# Altium PCB rt10.PcbDoc (part 1 of 3) (continued)
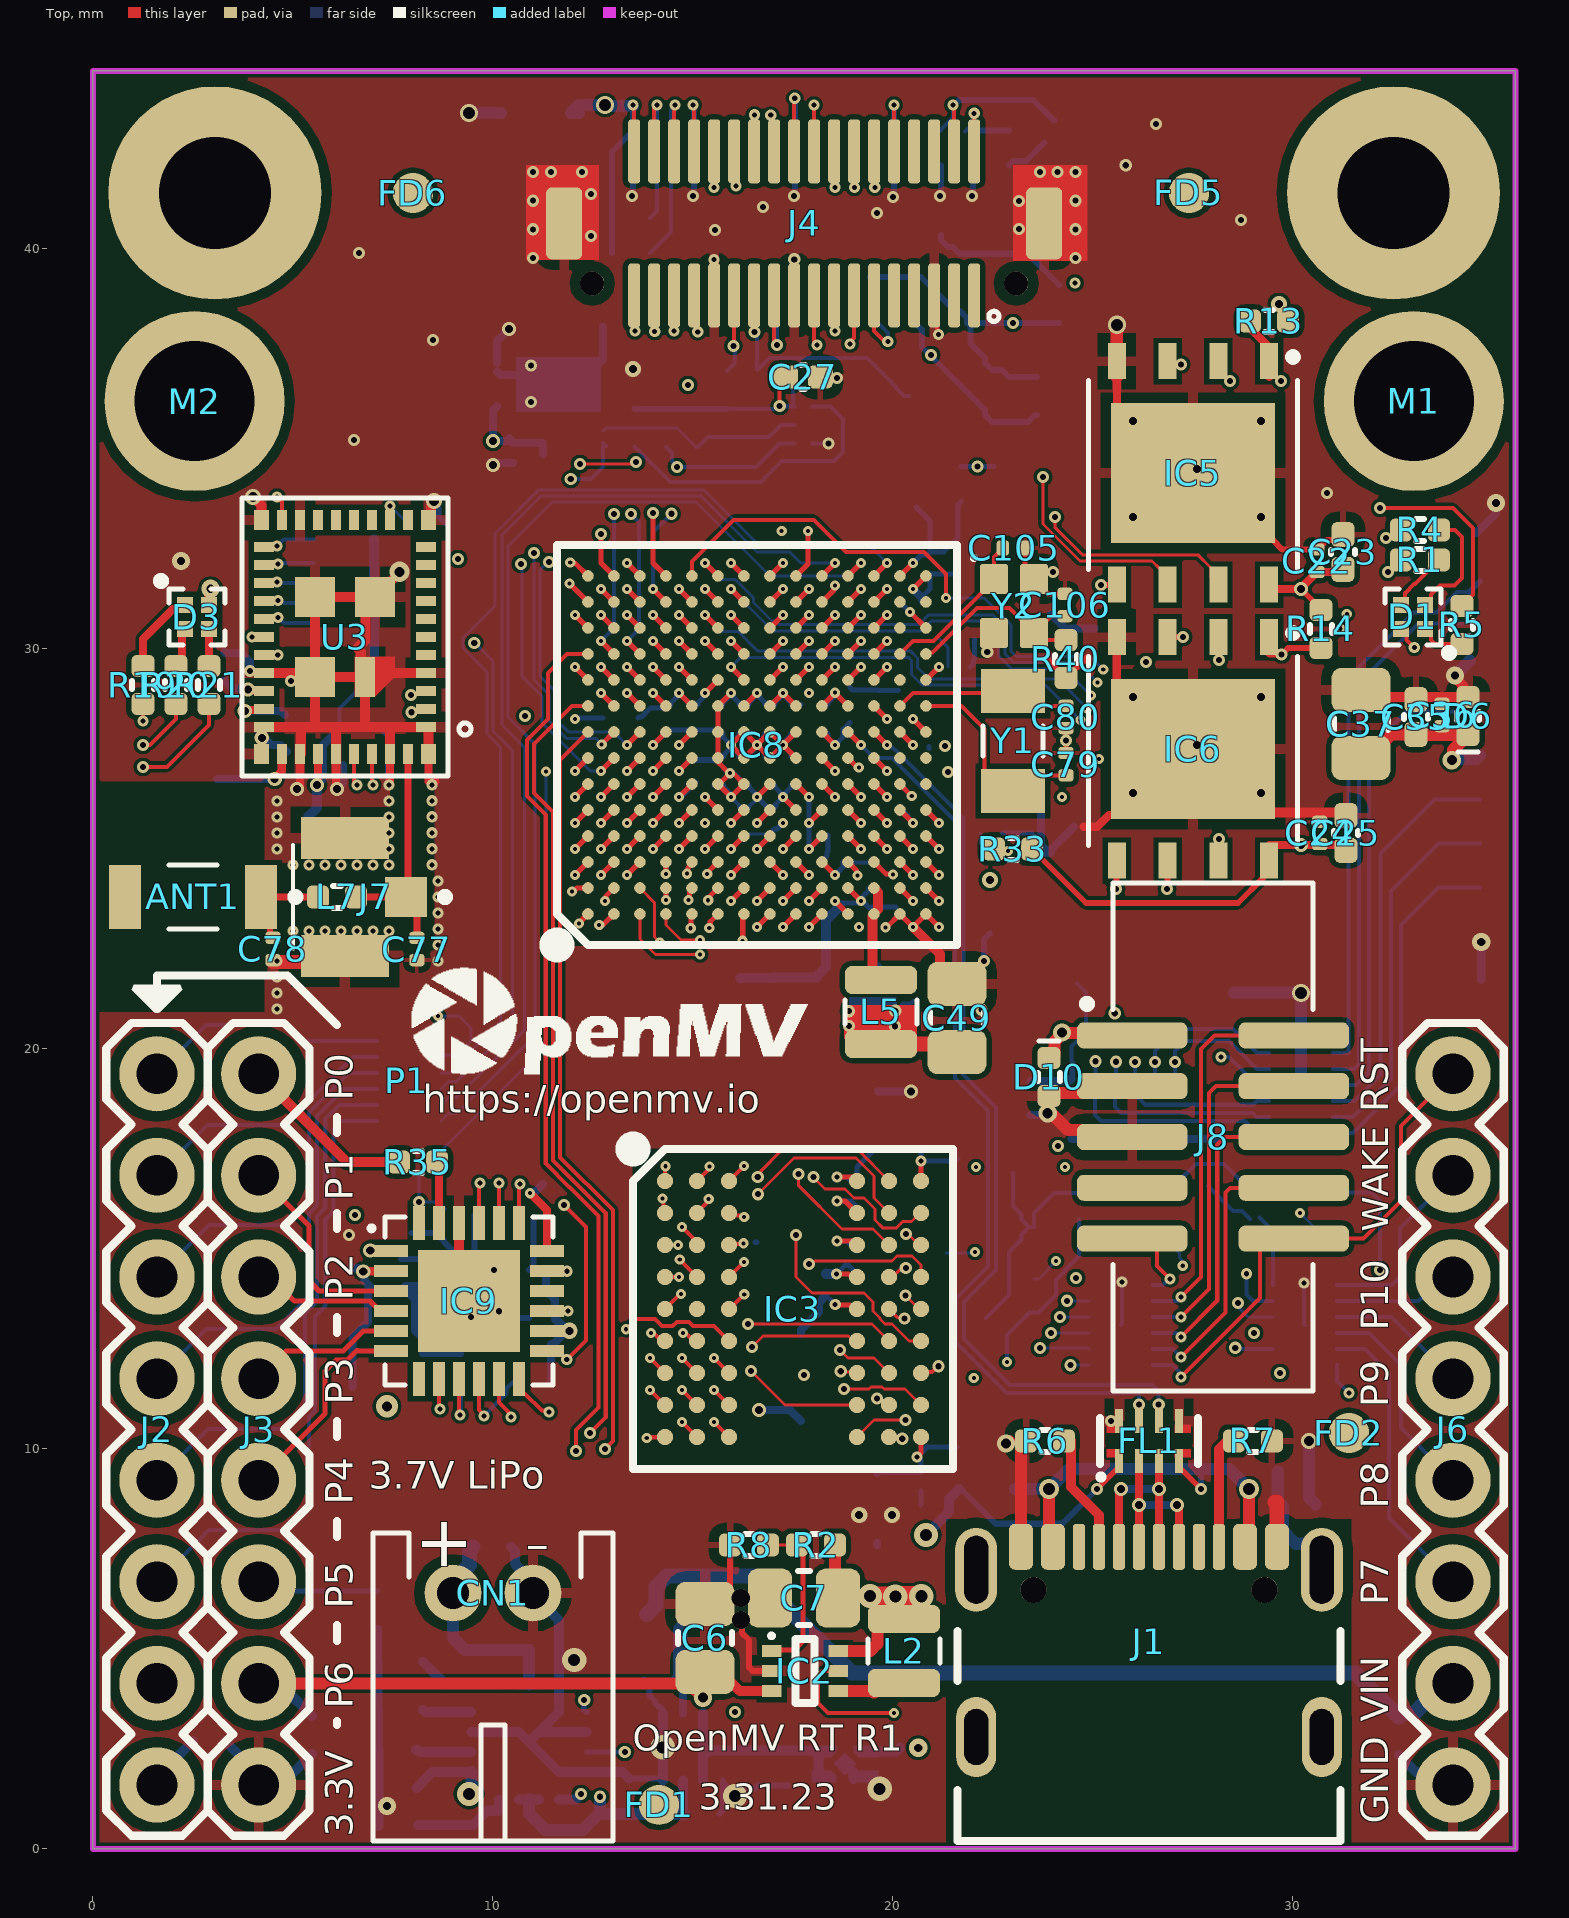
[diagram p0: Top view]
## Footprints (in the part's own frame and the unit in brackets; to place one, negate y for a bottom-side part, rotate by r counter-clockwise, add the part's x,y. Pads: shape width x height; smd on the part's side, far side on the other; paste and mask are expansions set on the pad) (continued)

## Part data
ANT1: "ABRACON - AMCA31-2R450G-S1F-T3 - ANTENNA, CHIP, 2.45GHZ, 50 OHM, 1206   Source:  Datasheet", MANUFACTURER_NAME=ABRACON, DeviceSetName=AMCA31-2R450G-S1F-T3, GateName_1=G$1, HEIGHT=1.4mm, LibraryName=AMCA31-2R450G-S1F-T3, MANUFACTURER_PART_NUMBER=AMCA31-2R450G-S1F-T3, MOUSER_PART_NUMBER=815-CA312R450GS1FT3, MOUSER_PRICE-STOCK=https://www.mouser.co.uk/ProductDetail/ABRACON/AMCA31-2R450G-S1F-T3?qs=AAveGqk956GLuOddQEK40Q%3D%3D, MPN=AMCA31-2R450G-S1F-T3, Part Number=AMCA31-2R450G-S1F-T3, SymbolName_1=AMCA31-2R450G-S1F-T3
C1 C2 C3 C4 C5 C8 C9 C10 C12 C17 C21 C23 C25 C27 C30 C33 C35 C39 C40 C41 C42 C44 C46 C52 C57 C60 C64 C65 C67 C72 C81 C83 C90 C91 C92 C93 C95 C101 C104 C108: library part CAP0402-CAP, "CapacitorStandard 0603 ceramic capacitor, and 0.1\" leaded capacitor.", MPN=JMK105BBJ475MV-F, DeviceName=0402-CAP, DeviceSetName=CAP, GateName_1=G$1, LibraryName=sfe, Part Number=JMK105BBJ475MV-F, SymbolName_1=CAP
C6 C7 C14 C18 C29 C32 C37 C49 C51 C58 C61 C73 C85 C96: library part 22UF-0805-6.3V-20%, "22ÂµF ceramic capacitors    A capacitor is a passive two-terminal electrical component used to store electrical energy temporarily in an electric field.", MPN=CL21A226MQQNNNE, DeviceName=-0805-6.3V-20%, DeviceSetName=22UF, GateName_1=G$1, LibraryName=SparkFun-Capacitors, Part Number=CL21A226MQQNNNE, PROD_ID=CAP-08402, SymbolName_1=CAP
C11 C13 C15 C16 C19 C20 C22 C24 C26 C28 C31 C34 C36 C38 C43 C45 C47 C48 C50 C53 C54 C55 C56 C59 C62 C63 C66 C68 C69 C70 C71 C74 C75 C76 C82 C84 C86 C87 C88 C89 C94 C97 C98 C99 C100 C102 C103 C107 C109: library part C-EUC0201, "CAPACITOR, European symbol", MPN=GRM033R60J224ME15D, DeviceName=C0201, DeviceSetName=C-EU, GateName_1=G$1, LibraryName=rcl, Part Number=GRM033R60J224ME15D, POPULARITY=0, SPICEPREFIX=C, SymbolName_1=C-EU
C77: "Chip Capacitor value 1R5   Source:  Datasheet", MANUFACTURER_NAME="Murata Electronics", DeviceSetName=GRM0335C1H1R5BA01D, GateName_1=G$1, HEIGHT=0.33mm, LibraryName=GRM0335C1H1R5BA01D, MANUFACTURER_PART_NUMBER=GRM0335C1H1R5BA01D, MOUSER_PART_NUMBER=81-GRM0335C1H1R5BA1D, MOUSER_PRICE-STOCK=https://www.mouser.co.uk/ProductDetail/Murata-Electronics/GRM0335C1H1R5BA01D?qs=7vGxPDjevFPFqveGwv%252BPUQ%3D%3D, MPN=GRM0335C1H1R5BA01D, Part Number=GRM0335C1H1R5BA01D, SymbolName_1=GRM0335C1H1R5BA01D
C78: library part GRM0335C1H1R5BA01D, "Chip Capacitor value 1R5   Source:  Datasheet", MANUFACTURER_NAME="Murata Electronics", DeviceSetName=GRM0335C1H1R5BA01D, GateName_1=G$1, HEIGHT=0.33mm, LibraryName=GRM0335C1H1R5BA01D, MANUFACTURER_PART_NUMBER=GRM0335C1H1R5BA01D, MOUSER_PART_NUMBER=81-GRM0335C1H1R5BA1D, MOUSER_PRICE-STOCK=https://www.mouser.co.uk/ProductDetail/Murata-Electronics/GRM0335C1H1R5BA01D?qs=7vGxPDjevFPFqveGwv%252BPUQ%3D%3D, MPN=DNP, Part Number=DNP, POPULATE=0, SymbolName_1=GRM0335C1H1R5BA01D
C79 C80: library part C-EUC0201, "CAPACITOR, European symbol", MPN=GRM0335C1E180JA01D, DeviceName=C0201, DeviceSetName=C-EU, GateName_1=G$1, LibraryName=rcl, Part Number=GRM0335C1E180JA01D, POPULARITY=0, SPICEPREFIX=C, SymbolName_1=C-EU
C105 C106: library part C-EUC0201, "CAPACITOR, European symbol", MPN=GRM0335C1E4R7CA01D, DeviceName=C0201, DeviceSetName=C-EU, GateName_1=G$1, LibraryName=rcl, Part Number=GRM0335C1E4R7CA01D, POPULARITY=0, SPICEPREFIX=C, SymbolName_1=C-EU
C110: library part CAP0402-CAP, "Capacitor", MPN=VJ0402Y102JXACW1BC, DeviceName=0402-CAP, DeviceSetName=CAP, GateName_1=G$1, LibraryName=sfe, Part Number=VJ0402Y102JXACW1BC, SymbolName_1=CAP
CN1: library part JST_2PIN-THM-RA, "JST 2-Pin Connectors of various flavors SMT-RA (S2B-PH-SM4) 4UConnector #17311  SMT  (B2B-PH-SM4)  THM-RA (S2B-PH)  THM  (B2B-PH)", DeviceName=-THM-RA, DeviceSetName=JST_2PIN, GateName_1=G$1, LibraryName=adafruit-updated, MPN=S2B-PH-K-S(LF)(SN), Part Number=S2B-PH-K-S(LF)(SN), SymbolName_1=PINHD2
D1 D3: "LED RGB SMD, SIZE 1 X 1 mm Check availability", MPN=UHD1110-FKA-CL1A13r3q1BBQFMF3, PACKAGE="0404 Cree Inc.", AVAILABILITY="In Stock", DeviceSetName=UHD1110-FKA-CL1A13R3Q1BBQFMF3, GateName_1=G$1, LibraryName=UHD1110-FKA-CL1A13R3Q1BBQFMF3, MF="Cree Inc.", MP=UHD1110-FKA-CL1A13R3Q1BBQFMF3, Part Number=UHD1110-FKA-CL1A13r3q1BBQFMF3, PRICE=None, PURCHASE-URL=https://pricing.snapeda.com/search/part/UHD1110-FKA-CL1A13R3Q1BBQFMF3/?ref=eda, SymbolName_1=UHD1110-FKA-CL1A13R3Q1BBQFMF3
D2 D4 D5 D6 D7 D8 D9 D10: "ESD Suppressors / TVS Diodes DIODE ESD 5VWM 65W 0402/SOD-923F   Source:  Datasheet", MANUFACTURER_NAME="Comchip Technology", DeviceSetName=CPDQT5V0HE-HF, GateName_1=G$1, HEIGHT=0.42mm, LibraryName=CPDQT5V0HE-HF, MANUFACTURER_PART_NUMBER=CPDQT5V0HE-HF, MOUSER_PART_NUMBER=MOUSER_PART_NUMBER, MOUSER_PRICE-STOCK=MOUSER_PRICE-STOCK, MPN=CPDQT5V0HE-HF, Part Number=CPDQT5V0HE-HF, SymbolName_1=CPDQT5V0HE-HF
FD1 FD2 FD3 FD4 FD5 FD6 FD7 FD8: "Fiducial Alignment Points    Point-of-reference for pick-and-place machines and other optical instruments.", DeviceName=1X2, DeviceSetName=FIDUCIAL, GateName_1=G$1, LibraryName=SparkFun-Aesthetics, SymbolName_1=FIDUCIAL
FL1: "Common Mode Filter & ESD Prot. USB uQFN8 STMicroelectronics ECMF02 Series, Signal Filter uQFN SMD, Flat Contact Termination, 2.6 x 1.3 x 0.6mm   Source:  Datasheet", MANUFACTURER_NAME=STMicroelectronics, DeviceSetName=ECMF02-4CMX8, GateName_1=G$1, HEIGHT=mm, LibraryName=ECMF02-4CMX8, MANUFACTURER_PART_NUMBER=ECMF02-4CMX8, MOUSER_PART_NUMBER=511-ECMF02-4CMX8, MOUSER_PRICE-STOCK=https://www.mouser.co.uk/ProductDetail/STMicroelectronics/ECMF02-4CMX8?qs=xYt8xtm2zhmK7GoDlDZR3A%3D%3D, MPN=ECMF02-4CMX8, Part Number=ECMF02-4CMX8, SymbolName_1=ECMF02-4CMX8
FL2 FL3 FL4 FL5: "EMI Filter Circuits 6lin lw cpcitnc EMI 45pF -35db @ 900MHz   Source:  Datasheet", MANUFACTURER_NAME=STMicroelectronics, DeviceSetName=EMIF06-1005M12, GateName_1=G$1, HEIGHT=0.65mm, LibraryName=EMIF06-1005M12, MANUFACTURER_PART_NUMBER=EMIF06-1005M12, MOUSER_PART_NUMBER=511-EMIF06-1005M12, MOUSER_PRICE-STOCK=https://www.mouser.co.uk/ProductDetail/STMicroelectronics/EMIF06-1005M12?qs=VJaATVMq%252BXo0u09ZqtQg3A%3D%3D, MPN=EMIF06-1005M12, Part Number=EMIF06-1005M12, SymbolName_1=EMIF06-1005M12
IC1: "1.6-V to 5.5-V, 40-m, 2.5-A, low-IQ, dual ideal diode   Source:  Datasheet", MANUFACTURER_NAME="Texas Instruments", DeviceSetName=LM66200DRLR, GateName_1=G$1, HEIGHT=0.6mm, LibraryName=LM66200DRLR, MANUFACTURER_PART_NUMBER=LM66200DRLR, MOUSER_PART_NUMBER=595-LM66200DRLR, MOUSER_PRICE-STOCK=https://www.mouser.co.uk/ProductDetail/Texas-Instruments/LM66200DRLR?qs=Rp5uXu7WBW90hnpZAkIOdQ%3D%3D, MPN=LM66200DRLR, Part Number=LM66200DRLR, SymbolName_1=LM66200DRLR
IC2: "DCDC Conv LV Buck SOT563 T&R 3K   Source:  Datasheet", MANUFACTURER_NAME="Diodes Inc.", DeviceSetName=AP61300Z6-7, GateName_1=G$1, HEIGHT=0.6mm, LibraryName=AP61300Z6-7, MANUFACTURER_PART_NUMBER=AP61300Z6-7, MOUSER_PART_NUMBER=621-AP61300Z6-7, MOUSER_PRICE-STOCK=https://www.mouser.co.uk/ProductDetail/Diodes-Incorporated/AP61300Z6-7?qs=HBWAp0VN4Ri0dzb0XP2pEA%3D%3D, MPN=AP61300Z6-7, Part Number=AP61300Z6-7, SymbolName_1=AP61300Z6-7
IC3: "DRAM 256M 16Mx16 166Mhz SDR SDRAM, 3.3V   Source:  Datasheet", MANUFACTURER_NAME="Integrated Silicon Solution Inc.", DeviceSetName=IS42S16160G-6BL, GateName_1=G$1, HEIGHT=1.2mm, LibraryName=IS42S16160G-6BL, MANUFACTURER_PART_NUMBER=IS42S16160G-6BL, MOUSER_PART_NUMBER=870-IS42S16160G-6BL, MOUSER_PRICE-STOCK=https://www.mouser.co.uk/ProductDetail/ISSI/IS42S16160G-6BL?qs=9hm%252BDT1Jr7yvZBhvmJyecQ%3D%3D, MPN=IS42S16160G-6BL, Part Number=IS42S16160G-6BL, SymbolName_1=IS42S16160G-6BL
IC4: "CryptoAuthentication 8-Pin UDFN EP T/R   Source:  Datasheet", MANUFACTURER_NAME=Microchip, DeviceSetName=ATECC608B-MAHDA-T, GateName_1=G$1, HEIGHT=0.6mm, LibraryName=ATECC608B-MAHDA-T, MANUFACTURER_PART_NUMBER=ATECC608B-MAHDA-T, MOUSER_PART_NUMBER=579-TECC608B-MAHDA-T, MOUSER_PRICE-STOCK=https://www.mouser.co.uk/ProductDetail/Microchip-Technology/ATECC608B-MAHDA-T?qs=W%2FMpXkg%252BdQ71cGyt0Wo3Jw%3D%3D, MPN=ATECC608B-MAHDA-T, Part Number=ATECC608B-MAHDA-T, SymbolName_1=ATECC608B-MAHDA-T
IC5: "NOR Flash 64M 2.3-3.6V 166Mhz Serial NOR Flash   Source:  Datasheet", MANUFACTURER_NAME="Integrated Silicon Solution Inc.", DeviceSetName=IS25LP064D-JKLE-TR, GateName_1=G$1, HEIGHT=0.8mm, LibraryName=IS25LP128F-JKLE-TR, MANUFACTURER_PART_NUMBER=IS25LP064D-JKLE-TR, MOUSER_PART_NUMBER=870-5LP064D-JKLE-TR, MOUSER_PRICE-STOCK=https://www.mouser.com/ProductDetail/ISSI/IS25LP064D-JKLE-TR?qs=xZ%2FP%252Ba9zWqa2pmLA1ByOew%3D%3D, MPN=IS25LP064D-JKLE-TR, Part Number=IS25LP064D-JKLE-TR, SymbolName_1=IS25LP064D-JKLE-TR
IC6: "NOR Flash 128M 2.3-3.6V 166Mhz Serial NOR Flash   Source:  Datasheet", MANUFACTURER_NAME="Integrated Silicon Solution Inc.", DeviceSetName=IS25LP128F-JKLE-TR, GateName_1=G$1, HEIGHT=0.8mm, LibraryName=IS25LP128F-JKLE-TR, MANUFACTURER_PART_NUMBER=IS25LP128F-JKLE-TR, MOUSER_PART_NUMBER=870-IS25LP128FJKLETR, MOUSER_PRICE-STOCK=https://www.mouser.co.uk/ProductDetail/ISSI/IS25LP128F-JKLE-TR?qs=F5EMLAvA7IC8MN2X519UUw%3D%3D, MPN=IS25LP128F-JKLE-TR, Part Number=IS25LP128F-JKLE-TR, SymbolName_1=IS25LP128F-JKLE-TR
IC7: "Accelerometers Monolithic and Wafer Level Packaged Three-Axis Accelerometer   Source:  Datasheet", MANUFACTURER_NAME=MEMSIC, DeviceSetName=MXC4005XC, GateName_1=G$1, HEIGHT=0.885mm, LibraryName=MXC4005XC, MANUFACTURER_PART_NUMBER=MXC4005XC, MOUSER_PART_NUMBER=438-MXC4005XC, MOUSER_PRICE-STOCK=https://www.mouser.co.uk/ProductDetail/MEMSIC/MXC4005XC?qs=RcG8xmE7yp3iyYgWLmAtUw%3D%3D, MPN=MXC4005XC, Part Number=MXC4005XC, SymbolName_1=MXC4005XC
IC8: "Processors - Application Specialized MIMXRT1052DVL6B/LFBGA196///STANDARD MARKING * TRAY   Source:  Datasheet", MANUFACTURER_NAME=NXP, DeviceSetName=MIMXRT1052DVL6B, GateName_1=G$1, HEIGHT=1.43mm, LibraryName=MIMXRT1052DVL6B, MANUFACTURER_PART_NUMBER=MIMXRT1052DVL6B, MOUSER_PART_NUMBER=771-MIMXRT1052DVL6B, MOUSER_PRICE-STOCK=https://www.mouser.co.uk/ProductDetail/NXP-Semiconductors/MIMXRT1052DVL6B?qs=r5DSvlrkXmLhWvqckzJtSg%3D%3D, MPN=MIMXRT1052DVL6B, Part Number=MIMXRT1052DVL6B, SymbolName_1=MIMXRT1052DVL6B
IC9: "Ethernet ICs 10/100 BASE-TX Physical Layer Transceiver   Source:  Datasheet", MANUFACTURER_NAME=Microchip, DeviceSetName=KSZ8081RNDCA-TR, GateName_1=G$1, HEIGHT=0.9mm, LibraryName=KSZ8081RNDCA-TR, MANUFACTURER_PART_NUMBER=KSZ8081RNDCA-TR, MOUSER_PART_NUMBER=998-KSZ8081RNDCATR, MOUSER_PRICE-STOCK=https://www.mouser.co.uk/ProductDetail/Microchip-Technology-Atmel/KSZ8081RNDCA-TR?qs=U6T8BxXiZAXLXXdn%2FieQKw%3D%3D, MPN=KSZ8081RNDCA-TR, Part Number=KSZ8081RNDCA-TR, SymbolName_1=KSZ8081RNDCA-TR
J1: "USB-C (USB TYPE-C) USB 2.0 Receptacle Connector 24 (16+8 Dummy) Position Surface Mount, Right Angle; Through Hole  Check availability", PACKAGE=None, AVAILABILITY="In Stock", DeviceSetName=USB4105-GF-A, GateName_1=G$1, LibraryName=USB4105-GF-A, MF=GCT, MP=USB4105-GF-A, MPN=USB4105-GF-A, Part Number=USB4105-GF-A, PRICE=None, PURCHASE-URL=https://pricing.snapeda.com/search/part/USB4105-GF-A/?ref=eda, SymbolName_1=USB4105-GF-A
J2 J3 J6: library part "CONN_08\"", "Multi connection point. Often used as Generic Header-pin footprint for 0.1 inch spaced/style header connections    On any of the 0.1 inch spaced packages, you can populate with these:  Break Away Headers - Straight (PRT-00116)   Break Away Male Headers - Right Angle (PRT-00553)   Female Headers (PRT-00115)   Break Away Headers - Machine Pin (PRT-00117)   Break Away Female Headers - Swiss Machine Pin (PRT-00743)   Arduino Stackable Header - 8 Pin (PRT-09279)        For SCREWTERMINALS and SPRING TERMINALS visit here:  Screw Terimnals on SparkFun.com (5mm/3.5mm/2.54mm spacing)       This device is also useful as a general connection point to wire up your design to another part of your project. Our various solder wires solder well into these plated through hole pads.  Hook-Up Wire - Assortment (Stranded, 22 AWG) (PRT-11375)   Hook-Up Wire - Assortment (Solid Core, 22 AWG) (PRT-11367)   View the entire wire category on our website here          Special notes:     Molex polarized connector foot print use with SKU : PRT-08231 with associated crimp pins and housings. 1MM SMD Version SKU: PRT-10208    NOTES ON THE VARIANTS LOCK and LOCK_LONGPADS... This footprint was designed to help hold the alignment of a through-hole component (i.e.  6-pin header) while soldering it into place. You may notice that each hole has been shifted either up or down by 0.005 of an inch from it's more standard position (which is a perfectly straight line).  This slight alteration caused the pins (the squares in the middle) to touch the edges of the holes.  Because they are alternating, it causes a \"brace\" to hold the component in place.  0.005 has proven to be the perfect amount of \"off-center\" position when using our standard breakaway headers. Although looks a little odd when you look at the bare footprint, once you have a header in there, the alteration is very hard to notice.  Also,if you push a header all the way into place, it is covered up entirely on the bottom side.", DeviceName="\"", DeviceSetName=CONN_08, GateName_1=G$1, LibraryName=SparkFun-Connectors, MPN=DNP, Part Number=DNP, POPULATE=0, PROD_ID=CONN-08438, SymbolName_1=CONN_08
J4: "Header", MPN=DF12NB-36DS-0.5V(51), DeviceSetName=DF12-36-DS, GateName_1=G$1, LibraryName=DF12-36-DS, Part Number=DF12NB-36DS-0.5V(51), SymbolName_1=DF12-36
J5: "uSD Slot", MPN=104031-0811, DeviceSetName=USD-1040310811, GateName_1=G$1, LibraryName=1040310811, Part Number=104031-0811, SymbolName_1=USD
J7: library part 2337019-1, "RF Connectors / Coaxial Connectors MicroCoax receptacle UMCC Gen 1   Source:  Datasheet", MANUFACTURER_NAME="TE Connectivity", DeviceSetName=2337019-1, GateName_1=G$1, HEIGHT=1.4mm, LibraryName=2337019-1, MANUFACTURER_PART_NUMBER=2337019-1, MOUSER_PART_NUMBER=571-2337019-1, MOUSER_PRICE-STOCK=https://www.mouser.co.uk/ProductDetail/TE-Connectivity/2337019-1?qs=l4Gc20tDgJIuN7nS9rJkJw%3D%3D, MPN=2337019-1, Part Number=2337019-1, POPULATE=0, SymbolName_1=2337019-1
J8: "Check availability", PACKAGE=None, AVAILABILITY="In Stock", DeviceSetName=3221-10-0300-00, GateName_1=G$1, LibraryName=3221-10-0300-00, MF="CNC Tech", MP=3221-10-0300-00, MPN=3221-10-0300-00, Part Number=3221-10-0300-00, PRICE=None, PURCHASE-URL=https://pricing.snapeda.com/search/part/3221-10-0300-00/?ref=eda, SymbolName_1=3221-10-0300-00
L1: library part INDUCTOR, "InductorsBasic Inductor/Choke - 0603 and 1206. Footprints are not proven and vary greatly between part numbers.", GateName_1=G$1, MPN=MFBM1V1608-101-R, Part Number=MFBM1V1608-101-R
L2: "Ind Power Wirewound 1uH 20% 2MHz Metal 2200mA 0806 Check availability", PACKAGE="2016 Taiyo Yuden", AVAILABILITY="In Stock", DeviceSetName=MAKK2016T1R0M, GateName_1=G$1, LibraryName=MAKK2016T1R0M, MF="Taiyo Yuden", MP=MAKK2016T1R0M, MPN=MAKK2016T1R0M, Part Number=MAKK2016T1R0M, PRICE=None, PURCHASE-URL=https://pricing.snapeda.com/search/part/MAKK2016T1R0M/?ref=eda, SymbolName_1=MAKK2016T1R0M
L4 L6 L8: library part INDUCTOR0402, "InductorsBasic Inductor/Choke - 0603 and 1206. Footprints are not proven and vary greatly between part numbers.", MPN=MFBM1V1005-101-R, DeviceName=0402, DeviceSetName=INDUCTOR, GateName_1=G$1, LibraryName=sfe, Part Number=MFBM1V1005-101-R, SymbolName_1=INDUCTOR
L5: "INDUCTOR, METAL CORE, SHIELDED, SMD HIGH CURRENT, 4.7uH, 20%, TR Check availability", PACKAGE="2016 Taiyo Yuden", AVAILABILITY="In Stock", DeviceSetName=MAKK2016T4R7M, GateName_1=G$1, LibraryName=MAKK2016T4R7M, MF="Taiyo Yuden", MP=MAKK2016T4R7M, MPN=MAKK2016T4R7M, Part Number=MAKK2016T4R7M, PRICE=None, PURCHASE-URL=https://pricing.snapeda.com/search/part/MAKK2016T4R7M/?ref=eda, SymbolName_1=MAKK2016T4R7M
L7: library part INDUCTOR-0402-3.9NH, "Inductors    Resist changes in electrical current. Basically a coil of wire.   SparkFun Products:  SparkFun Load Cell Amplifier - HX711  IOIO-OTG - V2.2", MPN=L-07C3N9SV6T, DeviceName=-0402-3.9NH, DeviceSetName=INDUCTOR, GateName_1=G$1, LibraryName=SparkFun-Coils, Part Number=L-07C3N9SV6T, PROD_ID=NDUC-13457, SymbolName_1=INDUCTOR
L9: "INDUCTOR, METAL CORE Check availability", PACKAGE="2016 Taiyo Yuden", AVAILABILITY="In Stock", DeviceSetName=MAKK2016T2R2M, GateName_1=G$1, LibraryName=MAKK2016T2R2M, MF="Taiyo Yuden", MP=MAKK2016T2R2M, MPN=MAKK2016T2R2M, Part Number=MAKK2016T2R2M, PRICE=None, PURCHASE-URL=https://pricing.snapeda.com/search/part/MAKK2016T2R2M/?ref=eda, SymbolName_1=MAKK2016T2R2M
M1 M2: "M2 3mm Standoff", DeviceSetName=9774030243R, GateName_1=G$1, LibraryName=9774030243R, MPN=9774030243R, Part Number=9774030243R, SymbolName_1=9774030243R
P1 P2: library part OMV
P3: library part ROHS
P4: library part WEEE
Q1 Q2 Q3 Q4 Q5: "MOSFET 60V N-Channel Enhancement Mode MOSFET - ESD Protected   Source:  Datasheet", MANUFACTURER_NAME=PANJIT, DeviceSetName=2N7002KW_R1_00001, GateName_1=G$1, HEIGHT=1.1mm, LibraryName=2N7002KW_R1_00001, MANUFACTURER_PART_NUMBER=2N7002KW_R1_00001, MOUSER_PART_NUMBER=241-2N7002KWR100001, MOUSER_PRICE-STOCK=https://www.mouser.co.uk/ProductDetail/Panjit/2N7002KW_R1_00001?qs=sPbYRqrBIVliWKATqv7jNA%3D%3D, MPN=2N7002KW_R1_00001, Part Number=2N7002KW_R1_00001, SymbolName_1=2N7002KW_R1_00001
Q6: "PMOS", GateName_1=G$1, HEIGHT=1.1mm, MPN=PMXB120EPEZ, Part Number=PMXB120EPEZ
R1 R4 R5 R26 R36 R39: library part RESISTOR0402-RES, "ResistorBasic schematic elements and footprints for 0603, 1206, and PTH resistors.", MPN=CRCW04021K00FKEDC, DeviceName=0402-RES, DeviceSetName=RESISTOR, GateName_1=G$1, LibraryName=sfe, Part Number=CRCW04021K00FKEDC, SymbolName_1=RESISTOR
R2: library part RESISTOR0402-RES, "ResistorBasic schematic elements and footprints for 0603, 1206, and PTH resistors.", MPN=CRCW0402200KFKEDC, DeviceName=0402-RES, DeviceSetName=RESISTOR, GateName_1=G$1, LibraryName=sfe, Part Number=CRCW0402200KFKEDC, SymbolName_1=RESISTOR
R3 R13 R14 R18 R22 R23 R24 R25 R27 R28 R29 R34: library part RESISTOR0402-RES, "ResistorBasic schematic elements and footprints for 0603, 1206, and PTH resistors.", MPN=AC0402FR-07100KL, DeviceName=0402-RES, DeviceSetName=RESISTOR, GateName_1=G$1, LibraryName=sfe, Part Number=AC0402FR-07100KL, SymbolName_1=RESISTOR
R6 R7: library part RESISTOR0402-RES, "ResistorBasic schematic elements and footprints for 0603, 1206, and PTH resistors.", MPN=RC0402JR-075K1L, DeviceName=0402-RES, DeviceSetName=RESISTOR, GateName_1=G$1, LibraryName=sfe, Part Number=RC0402JR-075K1L, SymbolName_1=RESISTOR
R8: library part RESISTOR0402-RES, "ResistorBasic schematic elements and footprints for 0603, 1206, and PTH resistors.", MPN=AC0402FR-0744K2L, DeviceName=0402-RES, DeviceSetName=RESISTOR, GateName_1=G$1, LibraryName=sfe, Part Number=AC0402FR-0744K2L, SymbolName_1=RESISTOR
R9 R33 R37: library part RESISTOR0402-RES, "ResistorBasic schematic elements and footprints for 0603, 1206, and PTH resistors.", MPN=AC0402FR-1310KL, DeviceName=0402-RES, DeviceSetName=RESISTOR, GateName_1=G$1, LibraryName=sfe, Part Number=AC0402FR-1310KL, SymbolName_1=RESISTOR
R10: library part RESISTOR0402-RES, "ResistorBasic schematic elements and footprints for 0603, 1206, and PTH resistors.", MPN=CRCW04023K30FKEDC, DeviceName=0402-RES, DeviceSetName=RESISTOR, GateName_1=G$1, LibraryName=sfe, Part Number=CRCW04023K30FKEDC, SymbolName_1=RESISTOR
R11: library part RESISTOR0402-RES, "ResistorBasic schematic elements and footprints for 0603, 1206, and PTH resistors.", MPN=WR04X4642FTL, DeviceName=0402-RES, DeviceSetName=RESISTOR, GateName_1=G$1, LibraryName=sfe, Part Number=WR04X4642FTL, SymbolName_1=RESISTOR
R12: library part RESISTOR0402-RES, "ResistorBasic schematic elements and footprints for 0603, 1206, and PTH resistors.", MPN=RC0402JR-078K2L, DeviceName=0402-RES, DeviceSetName=RESISTOR, GateName_1=G$1, LibraryName=sfe, Part Number=RC0402JR-078K2L, SymbolName_1=RESISTOR
R15 R16 R17: library part RESISTOR0402-RES, "ResistorBasic schematic elements and footprints for 0603, 1206, and PTH resistors.", MPN=AC0402JR-072K7L, DeviceName=0402-RES, DeviceSetName=RESISTOR, GateName_1=G$1, LibraryName=sfe, Part Number=AC0402JR-072K7L, SymbolName_1=RESISTOR
R19 R20 R21 R35: library part RESISTOR0402-RES, "ResistorBasic schematic elements and footprints for 0603, 1206, and PTH resistors.", MPN=CRGCQ0402F220R, DeviceName=0402-RES, DeviceSetName=RESISTOR, GateName_1=G$1, LibraryName=sfe, Part Number=CRGCQ0402F220R, SymbolName_1=RESISTOR
R30 R31: library part RESISTOR0402-RES, "ResistorBasic schematic elements and footprints for 0603, 1206, and PTH resistors.", MPN=AC0402FR-074K7L, DeviceName=0402-RES, DeviceSetName=RESISTOR, GateName_1=G$1, LibraryName=sfe, Part Number=AC0402FR-074K7L, SymbolName_1=RESISTOR
R32: library part RESISTOR0402-RES, "ResistorBasic schematic elements and footprints for 0603, 1206, and PTH resistors.", MPN=RC0201FR-0730KL, DeviceName=0402-RES, DeviceSetName=RESISTOR, GateName_1=G$1, LibraryName=sfe, Part Number=RC0201FR-0730KL, SymbolName_1=RESISTOR
R38: library part RESISTOR0402-RES, "ResistorBasic schematic elements and footprints for 0603, 1206, and PTH resistors.", MPN=CR0402-FX-6491GLF, DeviceName=0402-RES, DeviceSetName=RESISTOR, GateName_1=G$1, LibraryName=sfe, Part Number=CR0402-FX-6491GLF, SymbolName_1=RESISTOR
R40: library part RESISTOR0402-RES, "ResistorBasic schematic elements and footprints for 0603, 1206, and PTH resistors.", MPN=RC0402FR-072M2L, DeviceName=0402-RES, DeviceSetName=RESISTOR, GateName_1=G$1, LibraryName=sfe, Part Number=RC0402FR-072M2L, SymbolName_1=RESISTOR
R41: library part RESISTOR0402-RES, "Resistor", MPN=CRCW04021M00FKEDC, DeviceName=0402-RES, DeviceSetName=RESISTOR, GateName_1=G$1, LibraryName=sfe, Part Number=CRCW04021M00FKEDC, SymbolName_1=RESISTOR
RN1 RN2: "Resistor Networks & Arrays Resistor Array Chip 8 Elements 1506   Source:  Datasheet", MANUFACTURER_NAME=Panasonic, DeviceSetName=EXB-2HV104JV, GateName_1=G$1, HEIGHT=0.55mm, LibraryName=EXB-2HV104JV, MANUFACTURER_PART_NUMBER=EXB-2HV104JV, MOUSER_PART_NUMBER=667-EXB-2HV104JV, MOUSER_PRICE-STOCK=https://www.mouser.co.uk/ProductDetail/Panasonic/EXB-2HV104JV?qs=9MgLB97nXf9MD%252BafCCtPcA%3D%3D, MPN=EXB-2HV104JV, Part Number=EXB-2HV104JV, SymbolName_1=EXB-2HV104JV
U1: "LDO", DeviceSetName=MIC5365-3.3YMT-TZ, GateName_1=G$1, LibraryName=MIC5365-3.3YMT-TZ, MPN=MIC5365-3.3YMT-TZ, Part Number=MIC5365-3.3YMT-TZ, SymbolName_1=VREG_MIC5365-3.3YMT-TZ
U2: "Standalone 1-cell 1.5-A linear charger, Power Path, 4.2-V VBAT and 5.5-V VOUT 16-VQFN -40 to 85  Check availability", PACKAGE="VQFN-16 Texas Instruments", AVAILABILITY="In Stock", DeviceSetName=BQ24075RGTR, GateName_1=G$1, LibraryName=BQ24075RGTR, MF="Texas Instruments", MP=BQ24075RGTR, MPN=BQ24075RGTR, Part Number=BQ24075RGTR, PRICE=None, PURCHASE-URL=https://pricing.snapeda.com/search/part/BQ24075RGTR/?ref=eda, SymbolName_1=BQ24075RGTR
U3: library part LBEE5KL1DX-TEMP, "Broadcom Chipset for 802.11b/g/n + Bluetooth 4.1/EDR", PACKAGE=None, AVAILABILITY=Unavailable, DeviceSetName=LBEE5KL1DX-TEMP, GateName_1=G$1, LibraryName=LBEE5KL1DX-TEMP, MF="Murata Electronics", MP=LBEE5KL1DX-TEMP, MPN=LBEE5KL1DX-883, Part Number=LBEE5KL1DX-883, PRICE=None, SymbolName_1=LBEE5KL1DX-TEMP
Y1: library part ABS07-32.768KHZ-7-T, "Check availability", PACKAGE="SMD-2 Abracon LLC", AVAILABILITY="In Stock", DeviceSetName=ABS07-32.768KHZ-7-T, GateName_1=G$1, LibraryName=ABS07-32.768KHZ-7-T, MF=Abracon, MP=ABS07-32.768KHZ-7-T, MPN=SC32S-7PF20PPM, Part Number=SC32S-7PF20PPM, PRICE=None, PURCHASE-URL=https://pricing.snapeda.com/search/part/ABS07-32.768KHZ-7-T/?ref=eda, SymbolName_1=ABS07-32.768KHZ-7-T
Y2: "Murata 24MHz Crystal +/-30ppm SMD 4-Pin 2 x 1.6 x 0.7mm   Source:  Datasheet", MANUFACTURER_NAME="Murata Electronics", DeviceSetName=XRCGB24M000F3M00R0, GateName_1=G$1, HEIGHT=mm, LibraryName=XRCGB24M000F3M00R0, MANUFACTURER_PART_NUMBER=XRCGB24M000F3M00R0, MOUSER_PART_NUMBER=81-XRCGB24M000F3M0R0, MOUSER_PRICE-STOCK=https://www.mouser.co.uk/ProductDetail/Murata-Electronics/XRCGB24M000F3M00R0?qs=e%252BE4OD6MgMefDn8VvwDdfw%3D%3D, MPN=XRCGB24M000F3M00R0, Part Number=XRCGB24M000F3M00R0, SymbolName_1=XRCGB24M000F3M00R0

## Free pads (board coordinates)
  round 5.33 hole 2.8 mask+0.05: 0(3.048,41.402) 0(32.512,41.402)

## Via types
v1: diameter 0.254, hole 0.102, Top to Bottom, tented both sides, 227 vias
v2: diameter 0.305, hole 0.152, Top to Bottom, tented both sides, 152 vias
v3: diameter 0.279, hole 0.127, Top to Bottom, tented both sides, 108 vias
v4: diameter 0.356, hole 0.203, Top to Bottom, tented both sides, 30 vias
v5: diameter 0.61, hole 0.305, Top to Bottom, tented both sides, 9 vias
v6: diameter 0.457, hole 0.203, Top to Bottom, tented both sides, 7 vias
v7: diameter 0.406, hole 0.203, Top to Bottom, tented both sides, 6 vias
v8: diameter 0.457, hole 0.254, Top to Bottom, tented both sides, 5 vias
v9: diameter 0.457, hole 0.305, Top to Bottom, tented both sides, 4 vias
v10: diameter 0.406, hole 0.254, Top to Bottom, tented both sides, 3 vias
v11: diameter 0.457, hole 0.457, Top to Bottom, tented both sides, 2 vias
v12: diameter 0.508, hole 0.305, Top to Bottom, tented both sides, 2 vias
v13: diameter 0.559, hole 0.254, Top to Bottom, tented both sides, 1 vias
v14: diameter 0.508, hole 0.254, Top to Bottom, tented both sides, 1 vias

## Nets (pads, with @x,y where several pads share a name; then routed paths per layer and width w, separated by ;. In a path a pad name is that pad's centre, name@x,y a point inside that pad or via, vN(x,y) a via of type N, cw(c..) or ccw(c..) an arc to the next point about the centre after c; other vN are vias at no path point)
ANT: C77.1 J7.1 L7.2 U3.41 | length 5.8
  Top w0.165: L7.2@6.68,23.8 J7.1@7.825,23.8 ; J7.1@7.875,23.85 U3.41@7.875,27.375 ; C77.1@8.1,22.83 J7.1@8.1,23.525
  Top w0.35: J7.1@7.875,23.85 J7.1@7.825,23.8 J7.1@8.1,23.525
BAT: C8.2 CN1.1 D2.1 U2.2 U2.3 | length 5.7
  Bottom w0.254: U2.2@10.65,4.11 10.9,4.11 U2.3@11.15,4.11
  Bottom w0.305: 9,5.275 9.3,4.975 10.9,4.975 10.9,4.11 ; 9,5.4 CN1.1@9,6.4
  Bottom w0.381: CN1.1@9,6.4 9,6.682 9.416,7.097 9.416,7.465 D2.1@9.5,7.55
BT_D_WAKE: IC8.L7 U3.39 | length 28.2
  Top w0.102: U3.39@6.975,27.375 6.975,26.625 v3(7,26.6)
  Top w0.127: IC8.L7@18.875,27.275 19.085,27.065 19.121,27.065 v1(19.145,27.041)
  L6 w0.076: v3(7,26.6) 7.3,26.9 8.85,26.9 9.4,26.35 9.4,21.825 8.883,21.308 8.358,21.308 7.85,20.8 7.85,20.175 8.2,19.825 8.7,19.825 11.675,22.8 11.675,27.1 11.772,27.197 13.855,27.197 13.958,27.3 18.888,27.3 19.145,27.043 v1(19.145,27.041)
BT_H_WAKE: IC8.H14 U3.38 | length 16.9
  Top w0.102: U3.38@6.525,27.375 6.525,26.675 v3(6.6,26.6)
  Top w0.127: IC8.H14@16.925,31.825 v1(17.25,32.15)
  L4 w0.076: v3(6.6,26.6) 6.639,26.639 6.639,26.735 6.65,26.746 6.65,27.175 7.025,27.55 7.025,30.15 v2(9.125,32.25)
  L6 w0.076: v2(9.125,32.25) 10.025,33.15 11.597,33.15 12.3,32.447 16.753,32.447 17.05,32.15 v1(17.25,32.15)
BT_REG_ON: IC8.F13 R37.1 U3.14 | length 10.8
  Top w0.102: U3.14@7.425,33.225 7.427,33.227 7.427,33.571 v3(7.429,33.573)
  Top w0.127: v1(15.3,31.5) IC8.F13@15.625,31.175
  L6 w0.076: v3(7.429,33.573) 8.425,32.577 8.425,31.896 8.771,31.55 11.348,31.55 11.679,31.881 14.919,31.881 v1(15.3,31.5)
  Bottom w0.076: v3(7.429,33.573) 7.85,33.152 R37.1@7.85,33.15
BT_UART_RX: IC8.C9 U3.3 | length 7
  Top w0.127: v1(13.35,28.9) IC8.C9@13.675,28.575
  L6 w0.076: v2(7.948,28.846) 7.952,28.85 8.666,28.85 9.468,28.047 10.957,28.047 11.2,28.291 11.2,28.675 11.673,29.148 12.952,29.148 13.181,28.919 13.331,28.919 v1(13.35,28.9)
BT_UART_TX: IC8.B9 U3.2 | length 5.8
  Top w0.127: v1(12.7,28.9) IC8.B9@13.025,28.575
  L6 w0.076: v2(7.965,28.417) 8.883,28.417 9.405,27.895 11.02,27.895 11.625,28.5 12.3,28.5 v1(12.7,28.9)
CC1: J1.A5 R6.1 | length 2.9
  Top w0.254: R6.1@24.45,10.2 24.45,9.05 25.15,8.35 J1.A5@25.15,7.555
CC2: J1.B5 R7.1 | length 2.7
  Top w0.254: J1.B5@28.15,7.555 28.15,10 R7.1@28.35,10.2
CHG: R1.1 U2.9 | length 53.8
  L4 w0.076: v2(12.2,1.375) 12.575,1 13.05,1 13.873,1.823 16.987,1.823 18.087,0.723 31.466,0.723 32.437,1.694 32.437,13.776 32.784,14.123 32.784,28.943 33.602,29.762 33.602,31.398 33.075,31.925 v2(32.375,31.925)
  Bottom w0.254: U2.9@11.65,1.24 12.065,1.24 v2(12.2,1.375)
D_N: FL1.3 J1.A7 J1.B7 | length 4.6
  Top w0.203: J1.B7@25.65,7.555 25.65,8.95 v4(25.7,9) ; J1.A7@26.65,7.555 v4(26.65,9) FL1.3@26.65,9.7
  Bottom w0.203: v4(25.7,9) v4(26.65,9)
D_P: FL1.2 J1.A6 J1.B6 | length 4.2
  Top w0.203: J1.A6@26.15,7.555 v4(26.15,8.6) FL1.2@26.15,9.7 ; v4(27.1,8.6) 27.15,8.55 J1.B6@27.15,7.555
  Bottom w0.203: v4(26.15,8.6) v4(27.1,8.6)